# Altium PCB RF.PcbDoc (part 3 of 5)
Units mm, origin at the board's own origin, x right, y up, seen from the top; angles counter-clockwise.
Board outline 174 x 120 mm, 4 copper layers (Top, REF1, Internal, REF2), stack 1.212 mm thick; 567 components, 328 nets, 1552 pads, 3145 vias.
Unrouted connection lines stored in the file: 12.
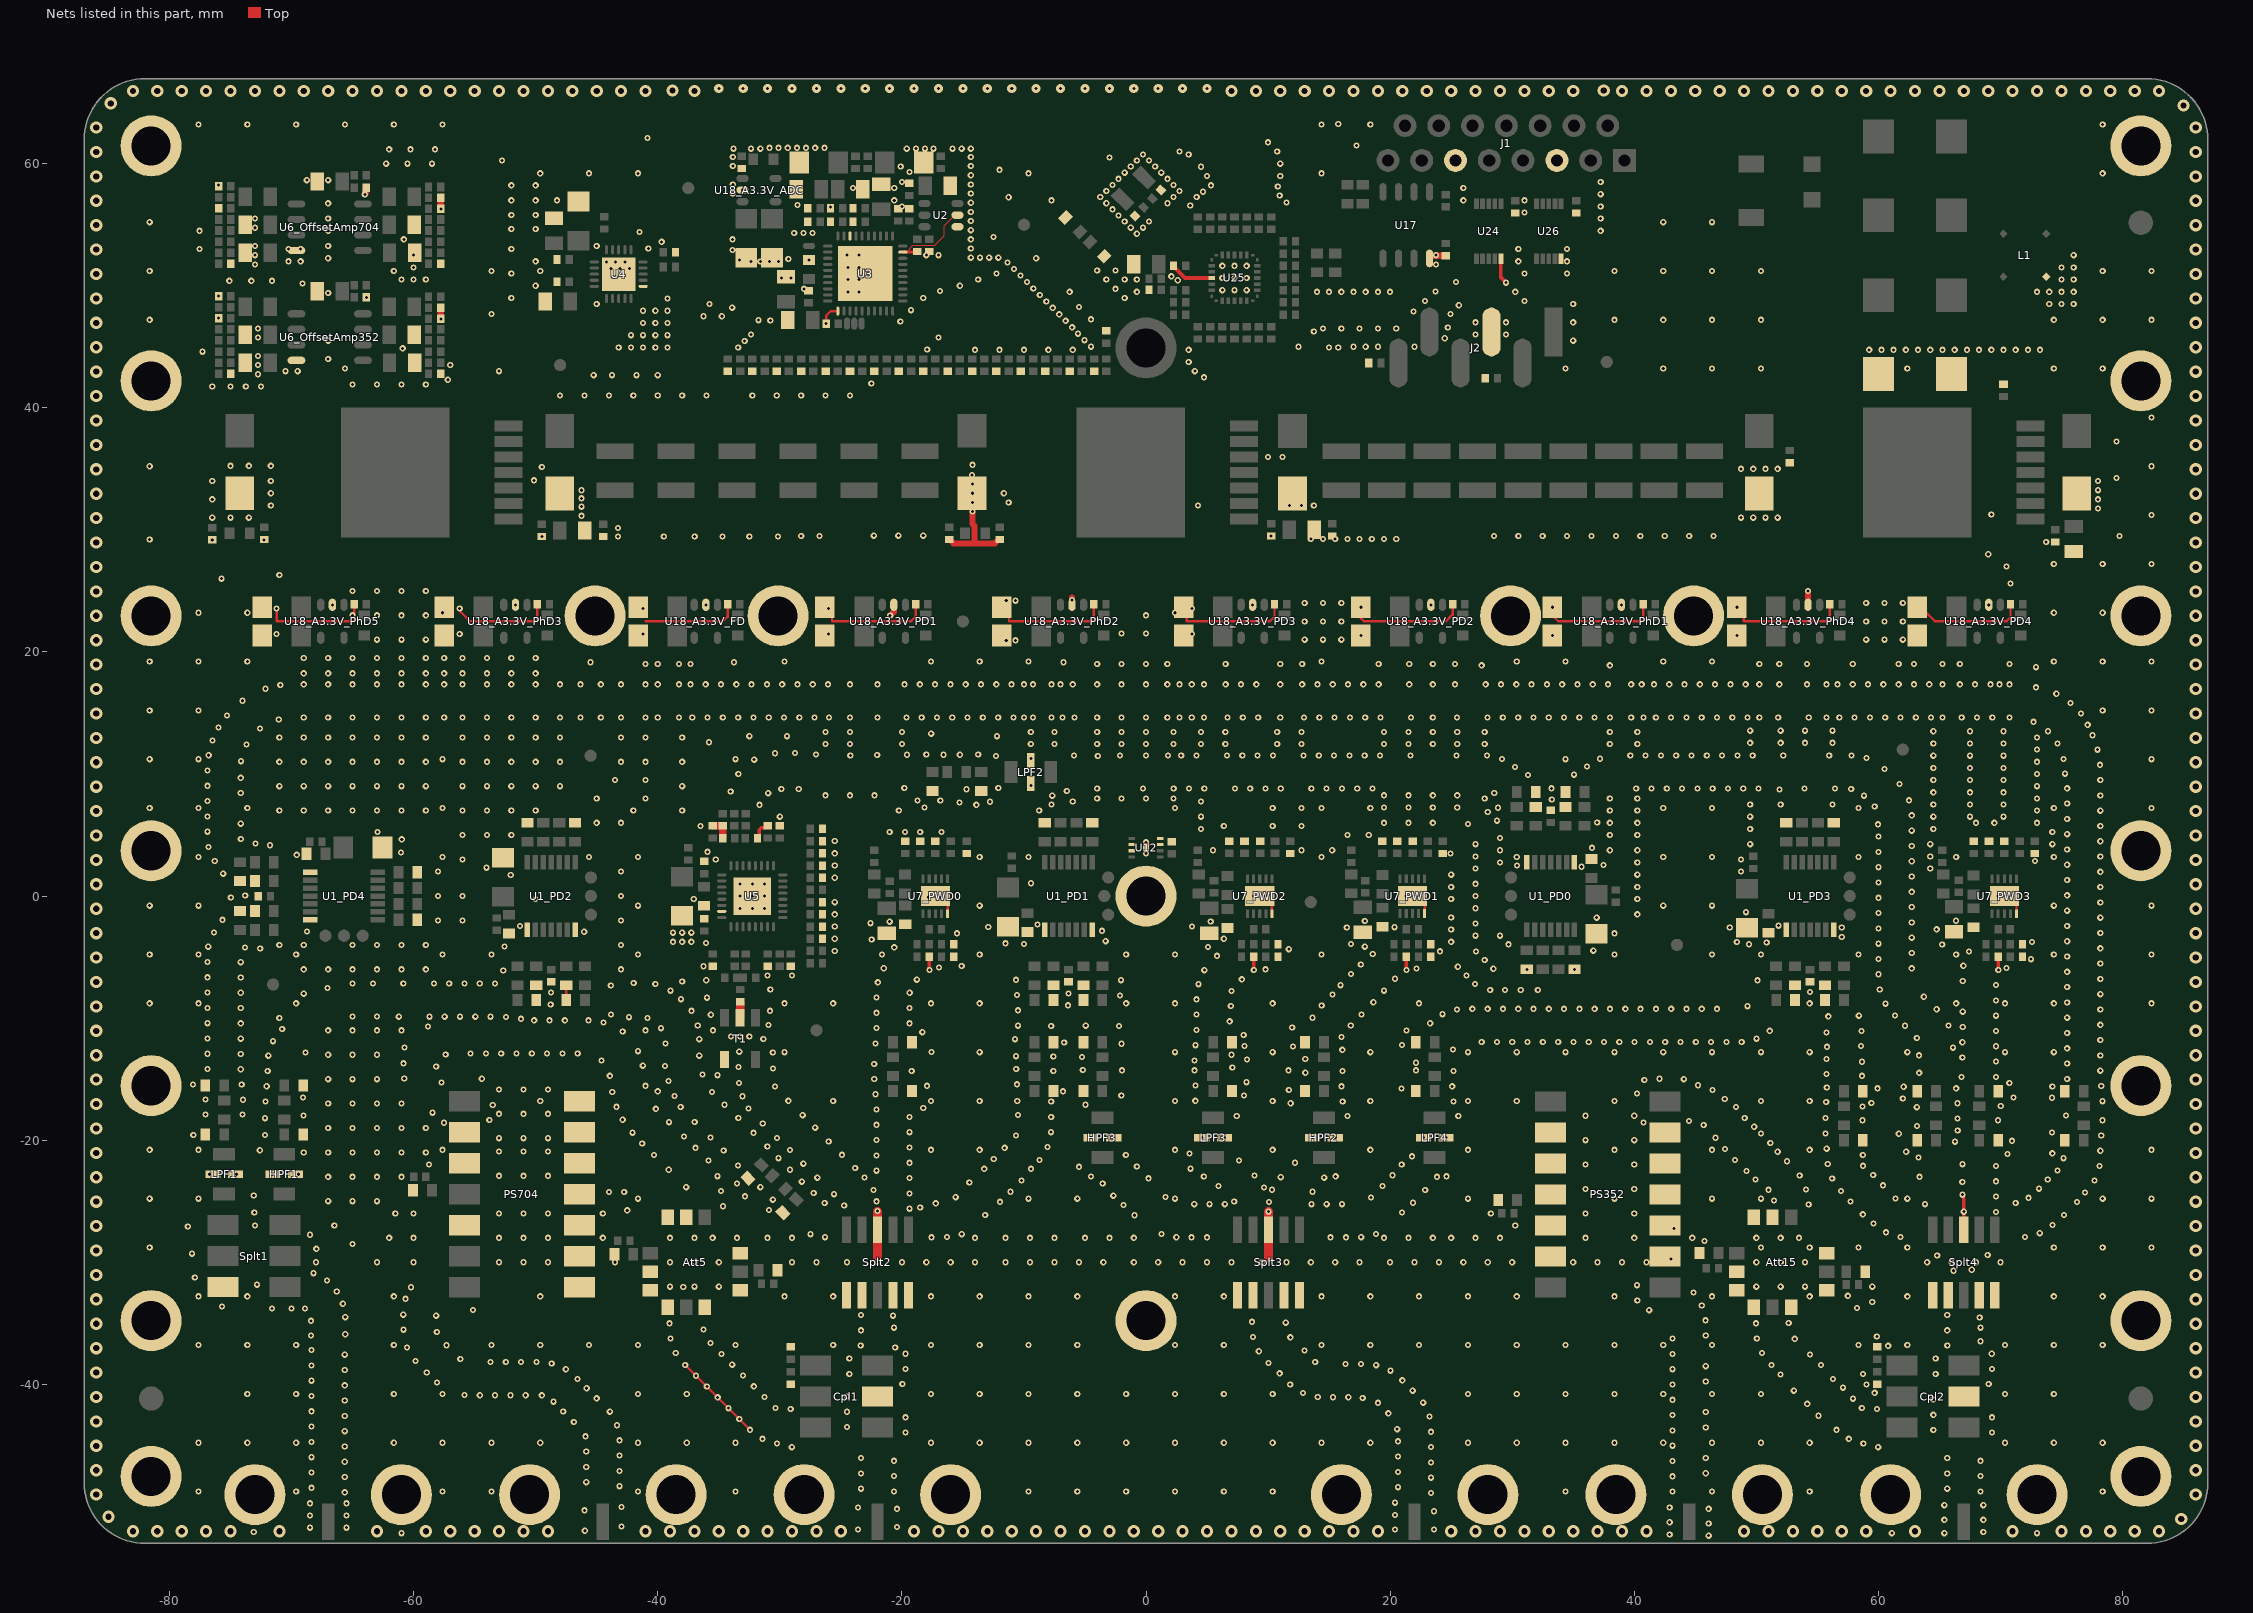
[diagram p5: the nets of this part, all layers, seen from the top]

## Via types
v1: diameter 0.51, hole 0.25, Top to REF2, tented both sides, 2873 vias
v2: diameter 1, hole 0.5, Top to REF2, tented both sides, 245 vias
v3: diameter 0.75, hole 0.25, Top to REF2, tented both sides, 21 vias
v4: diameter 0.51, hole 0.25, Top to REF2, tented bottom, 6 vias

## Nets (pads, with @x,y where several pads share a name; then routed paths per layer and width w, separated by ;. In a path a pad name is that pad's centre, name@x,y a point inside that pad or via, vN(x,y) a via of type N, cw(c..) or ccw(c..) an arc to the next point about the centre after c; other vN are vias at no path point) (continued)
DGND: Att5.2 Att5.3 Att5.5 Att5.6 Att5.7 Att5.9 Att5.10 Att5.12 Att15.2 Att15.3 Att15.5 Att15.6 Att15.7 Att15.9 Att15.10 Att15.12 C1_PD0.1 C1_PD1.1 C1_PD2.1 C1_PD3.1 C1_PD4.1 C2_PD0.1 C2_PD1.1 C2_PD2.1 C2_PD3.1 C2_PD4.1 C3_PD0.1 C3_PD1.1 C3_PD2.1 C3_PD3.1 C3_PD4.1 C5_PD0.2 C5_PD1.2 C5_PD2.2 C5_PD3.2 C5_PD4.2 C6_PD0.1 C6_PD1.1 C6_PD2.1 C6_PD3.1 C6_PD4.1 C7_PD0.1 C7_PD1.1 C7_PD2.1 C7_PD3.1 C7_PD4.1 C9_PD0.2 C9_PD1.2 C9_PD2.2 C9_PD3.2 C9_PD4.2 C10.1 C11.1 C12.2 C13.2 C14.2 C15.2 C16.1 C17.1 C18.2 C19.2 C20.2 C21.2 C22.1 C23.2 C24.2 C25.2 C26.2 C27.2 C28.2 C29.2 C30.2 C31.2 C32.2 C33.2 C34.2 C35.2 C36.1 C37.2 C38.2 C39.2 C40.1 C41.1 C42.1 C43.1 C44.2 C45.1 C46.1 C47.2 C48.1 C49.2 C50.2 C51.2 C52.2 C53.2 C54.2 C55.2 C56.2 C57.1 C58.2 C59.2 C61_OffsetAmp352.2 C61_OffsetAmp704.2 C62_OffsetAmp352.2 C62_OffsetAmp704.2 C64_OffsetAmp352.2 C64_OffsetAmp704.2 C65_OffsetAmp352.2 C65_OffsetAmp704.2 C66_OffsetAmp352.2 C66_OffsetAmp704.2 C67_OffsetAmp352.2 C67_OffsetAmp704.2 C68_PWD0.2 C68_PWD1.2 C68_PWD2.2 C68_PWD3.2 C69_PWD0.2 C69_PWD1.2 C69_PWD2.2 C69_PWD3.2 C72_PWD0.2 C72_PWD1.2 C72_PWD2.2 C72_PWD3.2 C73_PWD0.2 C73_PWD1.2 C73_PWD2.2 C73_PWD3.2 C74_PWD0.2 C74_PWD1.2 C74_PWD2.2 C74_PWD3.2 C75_PWD0.2 C75_PWD1.2 C75_PWD2.2 C75_PWD3.2 C76.2 C77.1 C78.2 C79.1 C81_A3.3V_ADC.2 C81_A3.3V_FD.2 C81_A3.3V_PD1.2 C81_A3.3V_PD2.2 C81_A3.3V_PD3.2 C81_A3.3V_PD4.2 C81_A3.3V_PhD1.2 C81_A3.3V_PhD2.2 C81_A3.3V_PhD3.2 C81_A3.3V_PhD4.2 C81_A3.3V_PhD5.2 C82_A3.3V_ADC.2 C82_A3.3V_FD.2 C82_A3.3V_PD1.2 C82_A3.3V_PD2.2 C82_A3.3V_PD3.2 C82_A3.3V_PD4.2 C82_A3.3V_PhD1.2 C82_A3.3V_PhD2.2 C82_A3.3V_PhD3.2 C82_A3.3V_PhD4.2 C82_A3.3V_PhD5.2 C83.1 C84.1 C87.- C88.1 C89.1 C90.- C93.- C94.- C95.- C96.1 C97.1 C98.- C103.- C104.1 C105.1 C106.- C107.2 C108.2 C109.1 C110.1 C111.2 C112.2 C113.2 C114.1 C115.2 C116.1 C117.2 C120.2 C122.2 C123.2 C124.2 Cpl1.2 Cpl2.2 HPF1.2 HPF1.4 HPF2.2 HPF2.4 HPF3.2 HPF3.4 J1.3 J1.6 J2.3 L1.3 LED4.K LED5.K LPF1.2 LPF1.4 LPF2.2 LPF2.4 LPF3.2 LPF3.4 LPF4.2 LPF4.4 PS352.2 PS352.3 PS352.4 PS352.5 PS352.6 PS352.9 PS352.10 PS352.11 PS352.12 PS352.13 PS704.2 PS704.3 PS704.5 PS704.8 PS704.9 PS704.10 PS704.11 PS704.12 PS704.13 PS704.14 R1_PD0.1 R1_PD1.1 R1_PD2.1 R1_PD3.1 R1_PD4.1 R3_PD0.2 R3_PD1.2 R3_PD2.2 R3_PD3.2 R3_PD4.2 R15.2 R22.1 R24.2 R25.1 R30.2 R31.2 R33.2 R34.2 R35.2 R36.2 R37.2 R38.2 R46_OffsetAmp352.1 R46_OffsetAmp704.1 R48_OffsetAmp352.1 R48_OffsetAmp704.1 R49_OffsetAmp352.1 R49_OffsetAmp704.1 R53_OffsetAmp352.1 R53_OffsetAmp704.1 R56_OffsetAmp352.1 R56_OffsetAmp704.1 R57_OffsetAmp352.1 R57_OffsetAmp704.1 R60_PWD0.1 R60_PWD1.1 R60_PWD2.1 R60_PWD3.1 R62_PWD0.1 R62_PWD1.1 R62_PWD2.1 R62_PWD3.1 R64_PWD0.2 R64_PWD1.2 R64_PWD2.2 R64_PWD3.2 R65.2 R68.1 R69.2 R70_A3.3V_ADC.1 R70_A3.3V_FD.1 R70_A3.3V_PD1.1 R70_A3.3V_PD2.1 R70_A3.3V_PD3.1 R70_A3.3V_PD4.1 R70_A3.3V_PhD1.1 R70_A3.3V_PhD2.1 R70_A3.3V_PhD3.1 R70_A3.3V_PhD4.1 R70_A3.3V_PhD5.1 R71.1 R76.1 R77.1 R110.2 R111.1 R113.1 R114.1 R116.1 R117.1 R119.1 R120.1 R122.1 R123.1 R125.1 R126.1 R128.1 R129.1 R131.1 R132.1 R134.1 R135.1 R137.1 R138.1 R140.1 R141.1 R143.1 R144.1 R146.1 R147.1 R149.1 R150.1 R152.1 R153.2 R154.2 R155.2 R156.1 R160.1 R161.1 R162.1 Screw1.0 Screw2.0 Screw3.0 Screw4.0 Screw5.0 Screw6.0 Screw7.0 Screw8.0 Screw9.0 Screw10.0 Screw11.0 Screw12.0 Screw13.0 Screw14.0 Screw15.0 Screw16.0 Screw17.0 Screw18.0 Screw19.0 Screw20.0 Screw21.0 Screw22.0 Screw23.0 Screw24.0 Screw25.0 Screw26.0 Screw27.0 Screw28.0 Screw29.0 Screw30.0 Screw31.0 Screw32.0 Splt1.6 Splt2.1 Splt2.2 Splt2.4 Splt2.5 Splt2.8 Splt3.1 Splt3.2 Splt3.4 Splt3.5 Splt3.8 Splt4.1 Splt4.2 Splt4.4 Splt4.5 Splt4.8 T1.2 T1.5 U1_PD0.1 U1_PD0.7 U1_PD1.1 U1_PD1.7 U1_PD2.1 U1_PD2.7 U1_PD3.1 U1_PD3.7 U1_PD4.1 U1_PD4.7 U2.1 U2.2 U3.8 U3.21 U3.39 U3.EP U4.11 U4.EP U5.31 U5.EP U6_OffsetAmp352.4 U6_OffsetAmp704.4 U7_PWD0.5 U7_PWD0.11 U7_PWD1.5 U7_PWD1.11 U7_PWD2.5 U7_PWD2.11 U7_PWD3.5 U7_PWD3.11 U12.2 U12.3 U12.7 U12.8 U12.EP U17.4 U18_A3.3V_ADC.2 U18_A3.3V_FD.2 U18_A3.3V_PD1.2 U18_A3.3V_PD2.2 U18_A3.3V_PD3.2 U18_A3.3V_PD4.2 U18_A3.3V_PhD1.2 U18_A3.3V_PhD2.2 U18_A3.3V_PhD3.2 U18_A3.3V_PhD4.2 U18_A3.3V_PhD5.2 U24.5 U25.4 U26.5 | length 151.4
  Top w0.1: -19.45,52.8 -19.45,52.95 -19.1,53.3 -17.3,53.3 -16.523,54.077 -16.523,54.911 -15.65,55.784 U2.2@-15.45,55.784
  Top w0.2: v1(-71.225,23.56) -71.225,22.51 -64.875,22.51 R70_A3.3V_PhD5.1@-64.875,23.91 ; R70_A3.3V_PhD5.1@-64.675,23.86 R70_A3.3V_PhD5.1@-64.675,23.91 ; v1(-56.225,23.56) -56.225,23.36 -55.375,22.51 -49.875,22.51 R70_A3.3V_PhD3.1@-49.875,23.91 ; R70_A3.3V_PhD3.1@-49.675,23.86 R70_A3.3V_PhD3.1@-49.675,23.91 ; R3_PD2.2@-47.5,-8.525 C7_PD2.1@-47.5,-7.3 ; PS704.14@-47.125,-17.05 PS704.14@-47.125,-17.04 ; C81_A3.3V_FD.2@-41.225,23.36 v1(-41.225,23.56) ; -41,22.51 -37.75,22.51 -34.65,22.51 -34.275,22.885 R70_A3.3V_FD.1@-34.275,23.91 ; v1(-37.75,-38.412) v1(-32.434,-43.728) ; R70_A3.3V_FD.1@-34.075,23.86 R70_A3.3V_FD.1@-34.075,23.91 ; R15.2@-27.85,51.85 v1(-27.6,52.1) ; v1(-26.2,46.9) -26.2,47.55 -25.825,47.925 U3.21@-25.25,47.925 ; C81_A3.3V_PD1.2@-25.725,23.36 -25.725,22.51 -19.25,22.51 -18.875,22.885 R70_A3.3V_PD1.1@-18.875,23.91 ; R70_A3.3V_PD1.1@-18.675,23.86 R70_A3.3V_PD1.1@-18.675,23.91 ; C41.1@-17.8,52.75 C41.1@-17.75,52.8 ; U7_PWD0.5@-16.255,-1.66 U7_PWD0.11@-16.255,-0.743 ; C81_A3.3V_PhD2.2@-11.225,23.36 -11.225,22.51 -4.525,22.51 -4.275,22.76 R70_A3.3V_PhD2.1@-4.275,23.91 ; R70_A3.3V_PhD2.1@-4.075,23.86 R70_A3.3V_PhD2.1@-4.075,23.91 ; U12.EP@0,3.96 0.25,4.21 ; C81_A3.3V_PD3.2@3.1,23.66 3.35,23.41 3.35,22.51 10.15,22.51 10.525,22.885 R70_A3.3V_PD3.1@10.525,23.91 ; U7_PWD2.11@9.32,-0.01 U7_PWD2.11@9.32,0 ; U7_PWD2.5@10.32,-1.66 U7_PWD2.11@10.32,-0.743 ; R70_A3.3V_PD3.1@10.725,23.86 R70_A3.3V_PD3.1@10.725,23.91 ; v1(17.6,23.66) 17.6,22.76 17.85,22.51 24.575,22.51 25.125,23.06 R70_A3.3V_PD2.1@25.125,23.91 ; U7_PWD1.5@22.82,-1.655 U7_PWD1.11@22.82,-0.738 ; R70_A3.3V_PD2.1@25.325,23.86 R70_A3.3V_PD2.1@25.325,23.91 ; v1(33.3,23.66) 33.3,22.985 33.775,22.51 40.65,22.51 40.725,22.585 R70_A3.3V_PhD1.1@40.725,23.91 ; J1.3@33.666,60.038 J1.3@33.815,59.889 ; R70_A3.3V_PhD1.1@40.925,23.86 R70_A3.3V_PhD1.1@40.925,23.91 ; C81_A3.3V_PhD4.2@48.975,23.36 48.975,22.51 56.025,22.51 R70_A3.3V_PhD4.1@56.025,23.91 ; C81_A3.3V_PD4.2@63.775,23.36 64.625,22.51 70.5,22.51 70.825,22.835 R70_A3.3V_PD4.1@70.825,23.91 ; R70_A3.3V_PD4.1@71.025,23.86 R70_A3.3V_PD4.1@71.025,23.91 ; U7_PWD3.5@71.315,-1.66 U7_PWD3.11@71.315,-0.743
  Top w0.25: U3.39@-19.925,52.75 -18.8,52.75 C42.1@-18.75,52.8
  Top w0.3: U1_PD4.1@-68.775,2.025 -68.7,1.95 U1_PD4.1@-68.475,1.95 ; C2_PD4.1@-68.775,3.425 C2_PD4.1@-68.75,3.45 ; R25.1@-31.829,4.75 -31.679,4.9 -31.679,5.421 -31.5,5.6 -31.15,5.6 C55.2@-31,5.75 ; C72_PWD0.2@-17.755,-4.96 -17.75,-4.966 -17.75,-6.052 v1(-17.744,-6.058) ; C108.2@2.25,51.635 2.25,51.585 3.2,50.635 U25.4@5.375,50.635 ; C72_PWD2.2@8.82,-4.96 8.826,-4.966 8.826,-6.052 v1(8.831,-6.058) ; C72_PWD1.2@21.32,-4.955 21.326,-4.961 21.326,-6.047 v1(21.331,-6.053) ; U24.5@29.075,52.21 29.075,50.675 v1(29.5,50.25) ; Splt4.8@67,-27.335 v1(67,-25.855) 67,-24.751 ; C72_PWD3.2@69.815,-4.96 69.826,-4.972 v1(69.826,-6.058)
  Top w0.5: v1@-64,57.5 -63.925,57.575 -63.925,57.99 C66_OffsetAmp704.2@-63.875,58.04 ; v1(-57.775,47.29) R57_OffsetAmp352.1@-57.775,48.19 ; v1(-57.775,56.29) R57_OffsetAmp704.1@-57.775,57.19 ; R38.2@-36.202,2.836 R38.2@-36.2,2.838 R38.2@-36.198,2.84 ; v1(-20.959,22.985) -20.659,23.285 U18_A3.3V_PD1.2@-20.659,23.86 ; R76.1@-16.125,29.21 -16.075,29.21 -15.75,28.885 -14.062,28.885 ; v1(-14.225,31.5) -14.225,30.48 -14.062,30.317 -14.062,28.885 ; C105.1@-12,29.21 -12.05,29.21 -12.375,28.885 -14.062,28.885 ; U18_A3.3V_PhD2.2@-6.059,23.86 v1@-6.059,24.45 ; U17.4@23.23,52.235 23.23,52.46 C79.1@24.575,52.46 ; U18_A3.3V_PhD4.2@54.241,23.86 v1(54.241,25)
  Top w0.6: C54.2@-35.508,5.75 R156.1@-34.679,5.75 R36.2@-34.679,4.75
  Top w0.7: T1.2@-33.254,-9.97 C120.2@-33.254,-8.8
  Top w0.76: -22,-29.6 Splt2.8@-22,-27.335 v1@-22,-25.855 ; 10.038,-29.6 Splt3.8@10.038,-27.335 v1(10.038,-25.855)